# Altium PCB XTIDA-010086.PcbDoc (part 9 of 17) (continued)
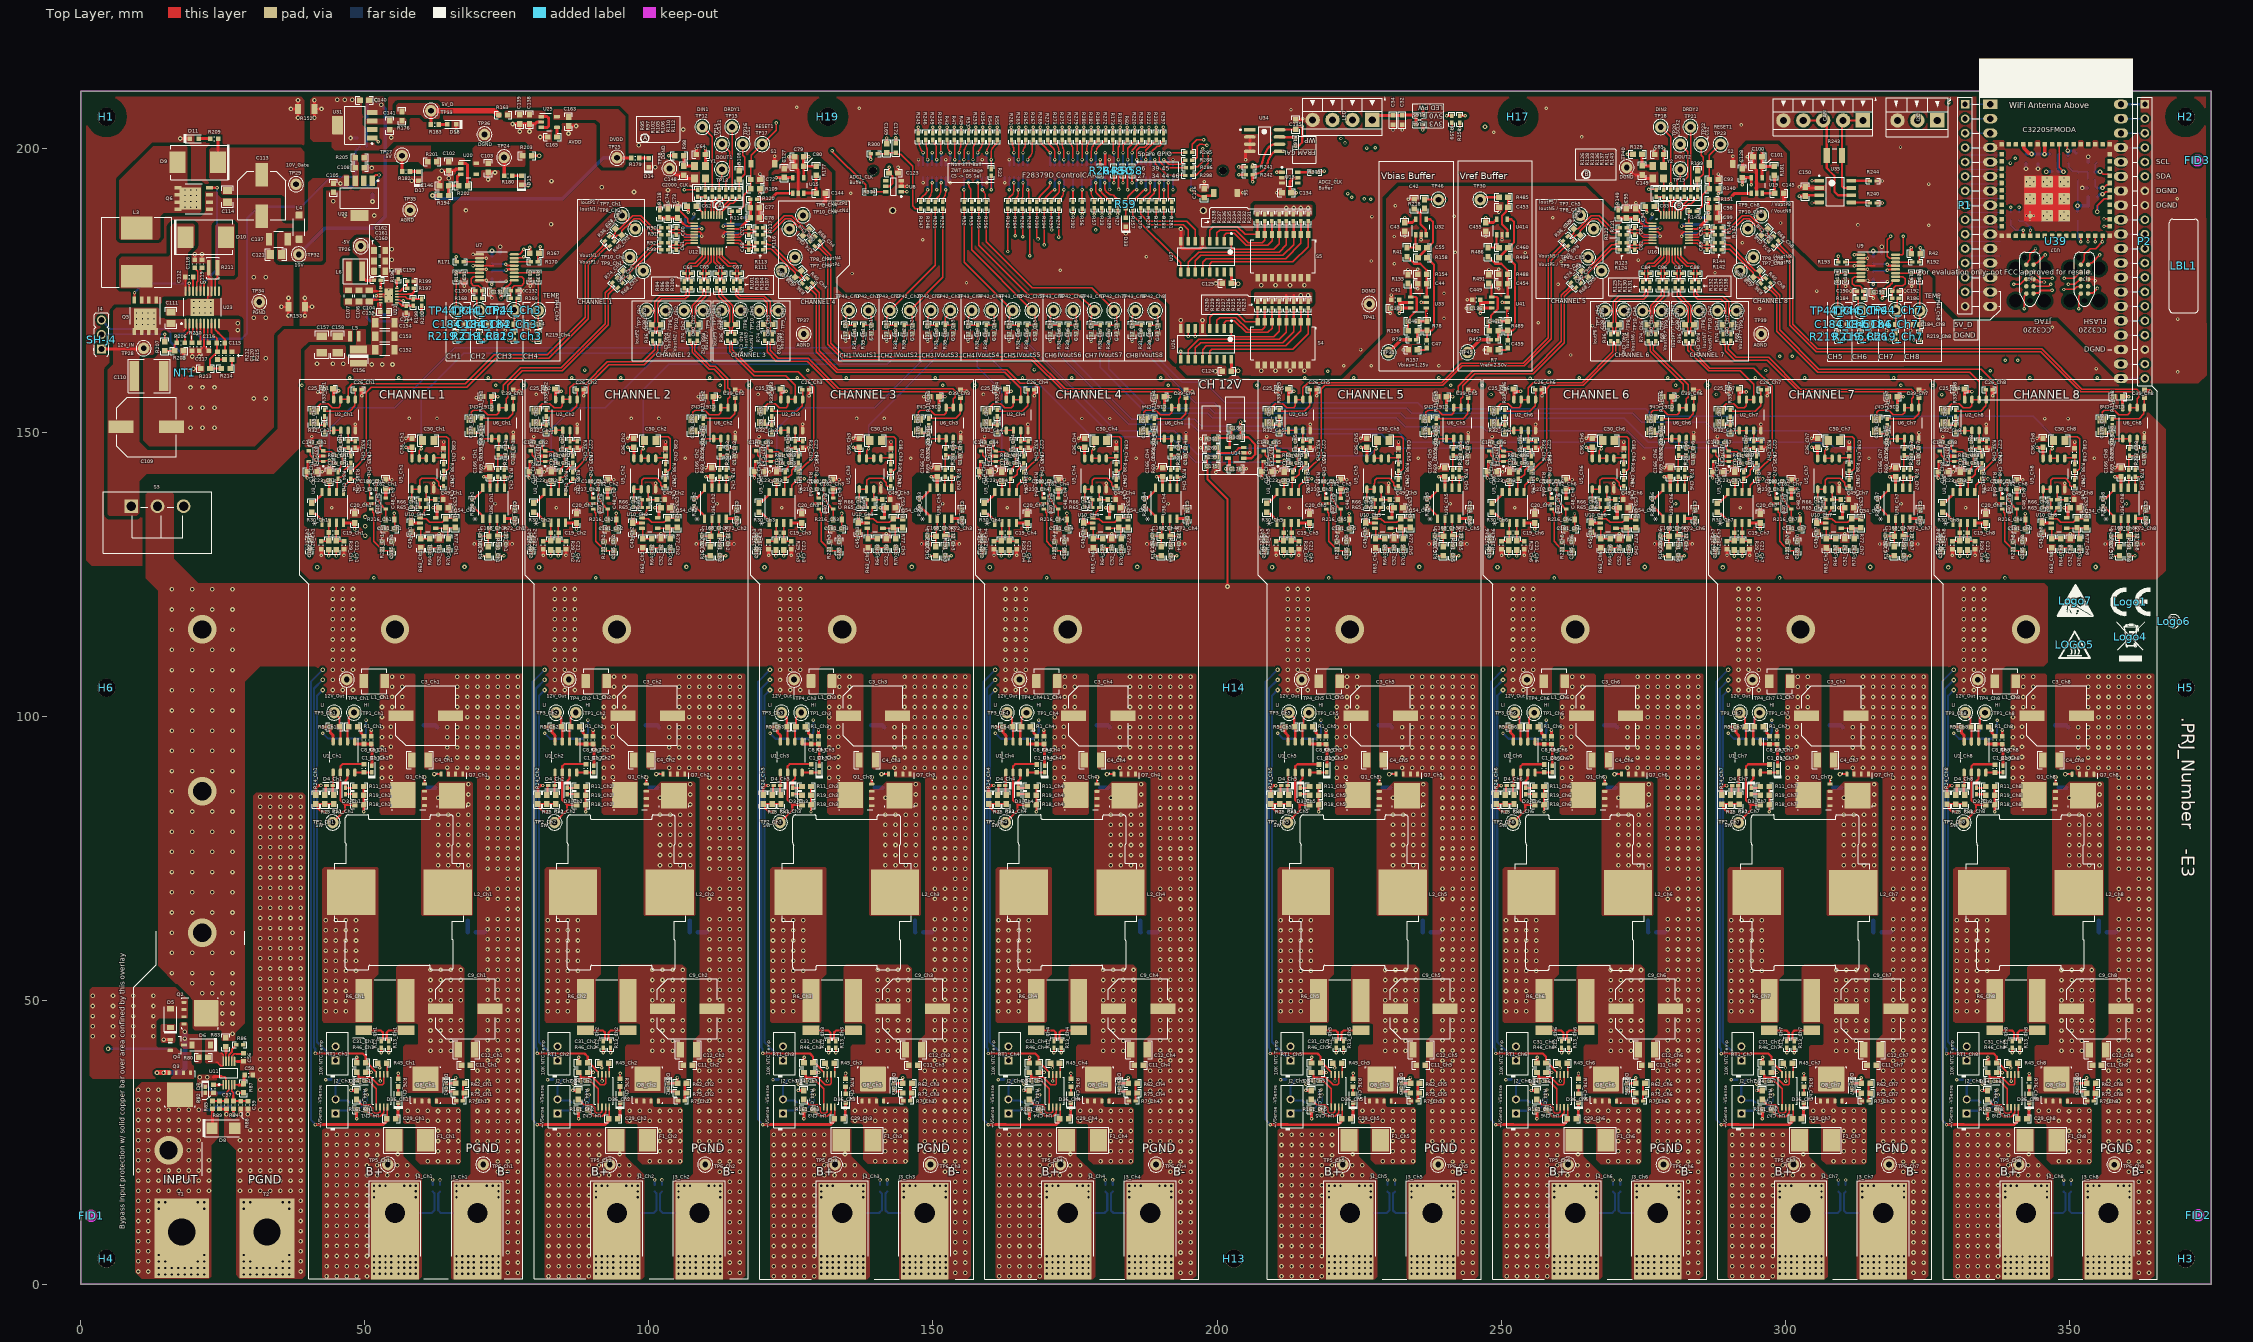
[diagram p0: Top Layer view]
## Nets (pads, with @x,y where several pads share a name; then routed paths per layer and width w, separated by ;. In a path a pad name is that pad's centre, name@x,y a point inside that pad or via, vN(x,y) a via of type N, cw(c..) or ccw(c..) an arc to the next point about the centre after c; other vN are vias at no path point) (continued)
IoutS5: C17_Ch5.1 R31_Ch5.2 R52.1 TP43_Ch5.1 | length 25.9
  Top Layer w0.254: R52.1@155.521,189.322 155.521,179.909 TP43_Ch5.1@164.036,171.394 164.036,170.913 163.452,170.329 C17_Ch5.1@163.452,168.811 R31_Ch5.2@165.052,168.811
IoutS6: C17_Ch6.1 R31_Ch6.2 R253.1 TP43_Ch6.1 | length 43.4
  Top Layer w0.254: R253.1@157.518,202.606 v2(157.518,203.633) ; TP43_Ch6.1@171.238,171.422 TP43_Ch6.1@171.238,171.394 171.238,170.941 170.654,170.357 170.654,168.839 R31_Ch6.2@172.254,168.839
  Signal Layer 2 w0.254: v2(157.518,203.633) 157.518,202.562 161.087,198.993 161.087,192.909 171.238,182.758 TP43_Ch6.1@171.238,171.394
IoutS7: C17_Ch7.1 R31_Ch7.2 R255.1 TP43_Ch7.1 | length 36
  Top Layer w0.254: R255.1@158.073,189.322 158.073,182.871 166.7,174.244 175.618,174.244 178.44,171.422 TP43_Ch7.1@178.44,171.394 178.44,170.941 177.856,170.357 177.856,168.839 R31_Ch7.2@179.456,168.839
IoutS8: C17_Ch8.1 R31_Ch8.2 R54.1 TP43_Ch8.1 | length 50.7
  Top Layer w0.254: R54.1@160.024,202.606 v2(160.024,203.633) ; TP43_Ch8.1@185.641,171.422 TP43_Ch8.1@185.641,171.394 185.641,170.941 185.057,170.357 185.057,168.839 R31_Ch8.2@186.657,168.839
  Signal Layer 2 w0.254: v2(160.024,203.633) 160.092,203.565 160.092,202.323 162.012,200.402 166.149,200.402 168.148,198.403 168.148,191.058 185.474,173.732 185.474,171.561 TP43_Ch8.1@185.641,171.394
L-Drive_Ch1: D4_Ch1.1 R21_Ch1.2 U1_Ch1.5 | length 3.9
  Top Layer w0.381: U1_Ch1.5@44.409,90.063 44.409,87.851 D4_Ch1.1@44.342,87.785 44.342,86.446 R21_Ch1.2@44.51,86.278
L-Drive_Ch2: D4_Ch2.1 R21_Ch2.2 U1_Ch2.5 | length 3.9
  Top Layer w0.381: U1_Ch2.5@83.474,90.061 83.474,87.849 D4_Ch2.1@83.408,87.784 83.408,86.444 R21_Ch2.2@83.575,86.276
L-Drive_Ch3: D4_Ch3.1 R21_Ch3.2 U1_Ch3.5 | length 3.9
  Top Layer w0.381: U1_Ch3.5@123.149,90.059 123.149,87.847 D4_Ch3.1@123.082,87.781 123.082,86.442 R21_Ch3.2@123.25,86.274
L-Drive_Ch4: D4_Ch4.1 R21_Ch4.2 U1_Ch4.5 | length 3.9
  Top Layer w0.381: U1_Ch4.5@162.823,90.057 162.823,87.845 D4_Ch4.1@162.757,87.779 162.757,86.44 R21_Ch4.2@162.925,86.272
L-Drive_Ch5: D4_Ch5.1 R21_Ch5.2 U1_Ch5.5 | length 3.9
  Top Layer w0.381: U1_Ch5.5@212.498,90.055 212.498,87.843 212.432,87.777 212.432,86.438 R21_Ch5.2@212.6,86.27
L-Drive_Ch6: D4_Ch6.1 R21_Ch6.2 U1_Ch6.5 | length 3.9
  Top Layer w0.381: U1_Ch6.5@252.173,90.053 252.173,87.841 D4_Ch6.1@252.107,87.775 252.107,86.436 R21_Ch6.2@252.274,86.268
L-Drive_Ch7: D4_Ch7.1 R21_Ch7.2 U1_Ch7.5 | length 3.9
  Top Layer w0.381: U1_Ch7.5@291.848,90.051 291.848,87.839 D4_Ch7.1@291.782,87.773 291.782,86.434 R21_Ch7.2@291.949,86.266
L-Drive_Ch8: D4_Ch8.1 R21_Ch8.2 U1_Ch8.5 | length 3.9
  Top Layer w0.381: U1_Ch8.5@331.523,90.049 331.523,87.837 D4_Ch8.1@331.456,87.771 331.456,86.432 R21_Ch8.2@331.624,86.264
LDrive_Ch1: Q7_Ch1.4 R21_Ch1.1 R24_Ch1.2 R25_Ch1.2 | length 30.8
  Top Layer w0.381: v2(43.242,83.188) 43.199,83.232 42.263,83.232 41.664,83.83 41.664,84.243 R24_Ch1.2@41.386,84.521 R25_Ch1.2@42.947,84.521 R21_Ch1.1@44.51,84.521 ; v1(62.206,89.791) Q7_Ch1.4@63.424,89.791
  Signal Layer 2 w0.381: v2(43.242,83.188) 45.336,83.188 46.05,82.474 57.48,82.474 61.29,86.284 61.29,88.875 v1(62.206,89.791)
LDrive_Ch2: Q7_Ch2.4 R21_Ch2.1 R24_Ch2.2 R25_Ch2.2 | length 30.8
  Top Layer w0.381: v2(82.308,83.186) 82.264,83.23 81.328,83.23 80.729,83.828 80.729,84.241 R24_Ch2.2@80.451,84.519 R25_Ch2.2@82.012,84.519 R21_Ch2.1@83.575,84.519 ; v1(101.271,89.789) Q7_Ch2.4@102.489,89.789
  Signal Layer 2 w0.381: v2(82.308,83.186) 84.401,83.186 85.115,82.472 96.545,82.472 100.355,86.282 100.355,88.873 v1(101.271,89.789)
LDrive_Ch3: Q7_Ch3.4 R21_Ch3.1 R24_Ch3.2 R25_Ch3.2 | length 30.8
  Top Layer w0.381: v2(121.982,83.184) 121.939,83.228 121.003,83.228 120.404,83.826 120.404,84.239 R24_Ch3.2@120.126,84.517 R25_Ch3.2@121.687,84.517 R21_Ch3.1@123.25,84.517 ; v1(140.946,89.787) Q7_Ch3.4@142.164,89.787
  Signal Layer 2 w0.381: v2(121.982,83.184) 124.076,83.184 124.79,82.47 136.22,82.47 140.03,86.28 140.03,88.871 v1(140.946,89.787)
LDrive_Ch4: Q7_Ch4.4 R21_Ch4.1 R24_Ch4.2 R25_Ch4.2 | length 30.8
  Top Layer w0.381: v2(161.657,83.182) 161.614,83.226 160.678,83.226 160.079,83.824 160.079,84.237 R24_Ch4.2@159.801,84.515 R25_Ch4.2@161.362,84.515 R21_Ch4.1@162.925,84.515 ; v1(180.621,89.785) Q7_Ch4.4@181.839,89.785
  Signal Layer 2 w0.381: v2(161.657,83.182) 163.751,83.182 164.465,82.468 175.895,82.468 179.705,86.278 179.705,88.869 v1(180.621,89.785)
LDrive_Ch5: Q7_Ch5.4 R21_Ch5.1 R24_Ch5.2 R25_Ch5.2 | length 30.8
  Top Layer w0.381: v2(211.332,83.18) 211.288,83.224 210.353,83.224 209.754,83.822 209.754,84.235 R24_Ch5.2@209.475,84.513 R25_Ch5.2@211.037,84.513 R21_Ch5.1@212.6,84.513 ; v1(230.295,89.783) Q7_Ch5.4@231.513,89.783
  Signal Layer 2 w0.381: v2(211.332,83.18) 213.426,83.18 214.14,82.466 225.57,82.466 229.38,86.276 229.38,88.867 v1(230.295,89.783)
LDrive_Ch6: Q7_Ch6.4 R21_Ch6.1 R24_Ch6.2 R25_Ch6.2 | length 30.8
  Top Layer w0.381: v2(251.007,83.178) 250.963,83.222 250.027,83.222 249.429,83.82 249.429,84.233 R24_Ch6.2@249.15,84.511 R25_Ch6.2@250.711,84.511 R21_Ch6.1@252.274,84.511 ; v1(269.97,89.781) Q7_Ch6.4@271.188,89.781
  Signal Layer 2 w0.381: v2(251.007,83.178) 253.101,83.178 253.815,82.464 265.245,82.464 269.055,86.274 269.055,88.865 v1(269.97,89.781)
LDrive_Ch7: Q7_Ch7.4 R21_Ch7.1 R24_Ch7.2 R25_Ch7.2 | length 30.8
  Top Layer w0.381: v2(290.682,83.176) 290.638,83.22 289.702,83.22 289.103,83.818 289.103,84.231 R24_Ch7.2@288.825,84.509 R25_Ch7.2@290.386,84.509 R21_Ch7.1@291.949,84.509 ; v1(309.645,89.779) Q7_Ch7.4@310.863,89.779
  Signal Layer 2 w0.381: v2(290.682,83.176) 292.775,83.176 293.489,82.462 304.919,82.462 308.729,86.272 308.729,88.863 v1(309.645,89.779)
LDrive_Ch8: Q7_Ch8.4 R21_Ch8.1 R24_Ch8.2 R25_Ch8.2 | length 30.8
  Top Layer w0.381: v2(330.356,83.174) 330.313,83.218 329.377,83.218 328.778,83.816 328.778,84.229 R24_Ch8.2@328.5,84.507 R25_Ch8.2@330.061,84.507 R21_Ch8.1@331.624,84.507 ; v1(349.32,89.777) Q7_Ch8.4@350.538,89.777
  Signal Layer 2 w0.381: v2(330.356,83.174) 332.45,83.174 333.164,82.46 344.594,82.46 348.404,86.27 348.404,88.861 v1(349.32,89.777)
MODE_A: R257.1 U27.9 | length 14.7
  Top Layer w0.254: R257.1@185.196,189.359 185.196,188.205 193.642,179.76 U27.9@193.642,178.189
MODE_B: R270.1 U27.7 | length 12.6
  Top Layer w0.254: R270.1@186.562,189.359 186.562,188.31 188.36,186.513 194.037,186.513 194.912,185.638 U27.7@194.912,183.589
MODE_C: R278.1 U27.6 | length 12.9
  Top Layer w0.254: R278.1@187.927,189.359 187.927,187.52 188.337,187.11 194.688,187.11 196.182,185.617 U27.6@196.182,183.589
MODE_CH1: R234.2 S5.4 U27.10 | length 24.5
  Top Layer w0.254: U27.10@194.901,178.178 U27.10@194.912,178.189 194.912,179.847 196.755,181.691 210.954,181.691 212.226,182.963 S5.4@212.226,184.789
  Top Layer w0.381: S5.4@212.226,184.789 R234.2@212.226,187.136
MODE_CH2: R233.2 S5.3 U27.11 | length 24.6
  Top Layer w0.254: U27.11@196.182,178.189 196.171,178.178 196.171,180.192 197.096,181.117 211.6,181.117 213.496,183.013 S5.3@213.496,184.789
  Top Layer w0.381: S5.3@213.496,184.789 R233.2@213.496,187.136
MODE_CH3: R232.2 S5.2 U27.12 | length 24.4
  Top Layer w0.254: U27.12@197.474,178.166 U27.12@197.452,178.189 197.452,179.873 198.112,180.533 212.108,180.533 214.766,183.191 S5.2@214.766,184.789
  Top Layer w0.381: R232.2@214.74,187.136 214.766,187.11 S5.2@214.766,184.789
MODE_CH4: R231.2 S5.1 U27.13 | length 24.5
  Top Layer w0.254: U27.13@198.722,178.189 198.711,178.178 198.711,179.557 199.103,179.949 213.352,179.949 216.036,182.632 S5.1@216.036,184.789
  Top Layer w0.381: S5.1@216.036,184.789 R231.2@216.036,187.136
MODE_CH5: R235.2 S5.5 U27.1 | length 14.1
  Top Layer w0.254: U27.1@202.532,183.589 202.532,182.463 202.837,182.159 209.999,182.159 210.956,183.115 S5.5@210.956,184.789
  Top Layer w0.381: S5.5@210.956,184.789 R235.2@210.956,187.136
MODE_CH6: R236.2 S5.6 U27.2 | length 14.2
  Top Layer w0.254: U27.2@201.262,183.589 201.262,184.622 201.592,184.953 203.065,184.953 205.123,182.895 208.933,182.895 209.686,183.648 S5.6@209.686,184.789
  Top Layer w0.381: S5.6@209.686,184.789 R236.2@209.686,187.136
MODE_CH7: R237.2 S5.7 U27.3 | length 14.5
  Top Layer w0.254: U27.3@199.992,183.589 199.992,185.054 200.449,185.511 203.319,185.511 205.478,183.352 207.962,183.352 208.416,183.806 S5.7@208.416,184.789
  Top Layer w0.381: S5.7@208.416,184.789 R237.2@208.416,187.136
MODE_CH8: R238.2 S5.8 U27.4 | length 13.5
  Top Layer w0.254: U27.4@198.722,183.589 198.722,185.537 199.331,186.146 203.599,186.146 204.956,184.789 S5.8@207.146,184.789
  Top Layer w0.381: S5.8@207.146,184.789 R238.2@207.146,187.136
NetC1_Ch1_1: C1_Ch1.1 D1_Ch1.1 U1_Ch1.8 | length 3.1
  Top Layer w0.381: U1_Ch1.8@48.219,90.063 48.243,90.087 C1_Ch1.1@49.843,90.087 51.193,90.087 D1_Ch1.1@51.242,90.136
NetC1_Ch2_1: C1_Ch2.1 D1_Ch2.1 U1_Ch2.8 | length 3.1
  Top Layer w0.381: U1_Ch2.8@87.284,90.061 87.308,90.085 C1_Ch2.1@88.908,90.085 90.259,90.085 D1_Ch2.1@90.307,90.134
NetC1_Ch3_1: C1_Ch3.1 D1_Ch3.1 U1_Ch3.8 | length 3.1
  Top Layer w0.381: U1_Ch3.8@126.959,90.059 126.983,90.083 C1_Ch3.1@128.583,90.083 129.933,90.083 D1_Ch3.1@129.982,90.132
NetC1_Ch4_1: C1_Ch4.1 D1_Ch4.1 U1_Ch4.8 | length 3.1
  Top Layer w0.381: U1_Ch4.8@166.633,90.057 166.658,90.081 C1_Ch4.1@168.258,90.081 169.608,90.081 D1_Ch4.1@169.657,90.131
NetC1_Ch5_1: C1_Ch5.1 D1_Ch5.1 U1_Ch5.8 | length 3.1
  Top Layer w0.381: U1_Ch5.8@216.308,90.055 216.333,90.079 C1_Ch5.1@217.933,90.079 219.283,90.079 D1_Ch5.1@219.331,90.128
NetC1_Ch6_1: C1_Ch6.1 D1_Ch6.1 U1_Ch6.8 | length 3.1
  Top Layer w0.381: U1_Ch6.8@255.983,90.053 256.007,90.077 C1_Ch6.1@257.608,90.077 258.958,90.077 D1_Ch6.1@259.006,90.127
NetC1_Ch7_1: C1_Ch7.1 D1_Ch7.1 U1_Ch7.8 | length 3.1
  Top Layer w0.381: U1_Ch7.8@295.658,90.051 295.682,90.075 C1_Ch7.1@297.282,90.075 298.633,90.075 D1_Ch7.1@298.681,90.124
NetC1_Ch8_1: C1_Ch8.1 D1_Ch8.1 U1_Ch8.8 | length 3.1
  Top Layer w0.381: U1_Ch8.8@335.333,90.049 335.357,90.073 C1_Ch8.1@336.957,90.073 338.307,90.073 D1_Ch8.1@338.356,90.123
NetC2_Ch1_2: C2_Ch1.2 R4_Ch1.2 | length 1.4
  Bottom Layer w0.762: R4_Ch1.2@61.04,87.401 62.394,87.401 C2_Ch1.2@62.419,87.427
NetC2_Ch2_2: C2_Ch2.2 R4_Ch2.2 | length 1.4
  Bottom Layer w0.762: R4_Ch2.2@100.105,87.399 101.459,87.399 C2_Ch2.2@101.484,87.425
NetC2_Ch3_2: C2_Ch3.2 R4_Ch3.2 | length 1.4
  Bottom Layer w0.762: R4_Ch3.2@139.78,87.397 141.134,87.397 C2_Ch3.2@141.159,87.423
NetC2_Ch4_2: C2_Ch4.2 R4_Ch4.2 | length 1.4
  Bottom Layer w0.762: R4_Ch4.2@179.455,87.395 180.808,87.395 C2_Ch4.2@180.834,87.421
NetC2_Ch5_2: C2_Ch5.2 R4_Ch5.2 | length 1.4
  Bottom Layer w0.762: R4_Ch5.2@229.13,87.393 230.483,87.393 C2_Ch5.2@230.509,87.419
NetC2_Ch6_2: C2_Ch6.2 R4_Ch6.2 | length 1.4
  Bottom Layer w0.762: R4_Ch6.2@268.804,87.391 270.158,87.391 C2_Ch6.2@270.183,87.417
NetC2_Ch7_2: C2_Ch7.2 R4_Ch7.2 | length 1.4
  Bottom Layer w0.762: R4_Ch7.2@308.479,87.389 309.833,87.389 C2_Ch7.2@309.858,87.415
NetC2_Ch8_2: C2_Ch8.2 R4_Ch8.2 | length 1.4
  Bottom Layer w0.762: R4_Ch8.2@348.154,87.387 349.508,87.387 C2_Ch8.2@349.533,87.413
NetC3_Ch1_1: C3_Ch1.1 C4_Ch1.1 C5_Ch1.1 C6_Ch1.1 C7_Ch1.1 L1_Ch1.2 Q1_Ch1.5 Q1_Ch1.6 Q1_Ch1.7 Q1_Ch1.8 Q1_Ch1.9@56.677,86.131 R4_Ch1.1
  other v1: 53.01,89.154 54.585,89.256 53.01,90.932 54.585,91.034 53.01,92.71 54.585,92.812 53.01,94.488 54.585,94.59 53.01,96.266 54.585,96.368 53.01,98.044 54.585,98.146 53.01,99.822 53.01,101.6 54.788,101.6 56.566,101.6 53.01,103.378 54.788,103.378 56.566,103.378 54.788,105.156 56.566,105.156 54.788,106.934 56.566,106.934
NetC3_Ch2_1: C3_Ch2.1 C4_Ch2.1 C5_Ch2.1 C6_Ch2.1 C7_Ch2.1 L1_Ch2.2 Q1_Ch2.5 Q1_Ch2.6 Q1_Ch2.7 Q1_Ch2.8 Q1_Ch2.9@95.743,86.129 R4_Ch2.1
  other v1: 92.075,89.152 93.65,89.254 92.075,90.93 93.65,91.032 92.075,92.708 93.65,92.81 92.075,94.486 93.65,94.588 92.075,96.264 93.65,96.366 92.075,98.042 93.65,98.144 92.075,99.82 92.075,101.598 93.853,101.598 95.631,101.598 92.075,103.376 93.853,103.376 95.631,103.376 93.853,105.154 95.631,105.154 93.853,106.932 95.631,106.932
NetC3_Ch3_1: C3_Ch3.1 C4_Ch3.1 C5_Ch3.1 C6_Ch3.1 C7_Ch3.1 L1_Ch3.2 Q1_Ch3.5 Q1_Ch3.6 Q1_Ch3.7 Q1_Ch3.8 Q1_Ch3.9@135.417,86.127 R4_Ch3.1
  other v1: 131.75,89.15 133.325,89.252 131.75,90.928 133.325,91.03 131.75,92.706 133.325,92.808 131.75,94.484 133.325,94.586 131.75,96.262 133.325,96.364 131.75,98.04 133.325,98.142 131.75,99.818 131.75,101.596 133.528,101.596 135.306,101.596 131.75,103.374 133.528,103.374 135.306,103.374 133.528,105.152 135.306,105.152 133.528,106.93 135.306,106.93
NetC3_Ch4_1: C3_Ch4.1 C4_Ch4.1 C5_Ch4.1 C6_Ch4.1 C7_Ch4.1 L1_Ch4.2 Q1_Ch4.5 Q1_Ch4.6 Q1_Ch4.7 Q1_Ch4.8 Q1_Ch4.9@175.092,86.125 R4_Ch4.1
  other v1: 171.425,89.148 172.999,89.25 171.425,90.926 172.999,91.028 171.425,92.704 172.999,92.806 171.425,94.482 172.999,94.584 171.425,96.26 172.999,96.362 171.425,98.038 172.999,98.14 171.425,99.816 171.425,101.594 173.203,101.594 174.981,101.594 171.425,103.372 173.203,103.372 174.981,103.372 173.203,105.15 174.981,105.15 173.203,106.928 174.981,106.928
NetC3_Ch5_1: C3_Ch5.1 C4_Ch5.1 C5_Ch5.1 C6_Ch5.1 C7_Ch5.1 L1_Ch5.2 Q1_Ch5.5 Q1_Ch5.6 Q1_Ch5.7 Q1_Ch5.8 Q1_Ch5.9@224.767,86.123 R4_Ch5.1
  other v1: 221.099,89.146 222.674,89.248 221.099,90.924 222.674,91.026 221.099,92.702 222.674,92.804 221.099,94.48 222.674,94.582 221.099,96.258 222.674,96.36 221.099,98.036 222.674,98.138 221.099,99.814 221.099,101.592 222.877,101.592 224.655,101.592 221.099,103.37 222.877,103.37 224.655,103.37 222.877,105.148 224.655,105.148 222.877,106.926 224.655,106.926
NetC3_Ch6_1: C3_Ch6.1 C4_Ch6.1 C5_Ch6.1 C6_Ch6.1 C7_Ch6.1 L1_Ch6.2 Q1_Ch6.5 Q1_Ch6.6 Q1_Ch6.7 Q1_Ch6.8 Q1_Ch6.9@264.442,86.121 R4_Ch6.1
  other v1: 260.774,89.144 262.349,89.246 260.774,90.922 262.349,91.024 260.774,92.7 262.349,92.802 260.774,94.478 262.349,94.58 260.774,96.256 262.349,96.358 260.774,98.034 262.349,98.136 260.774,99.812 260.774,101.59 262.552,101.59 264.33,101.59 260.774,103.368 262.552,103.368 264.33,103.368 262.552,105.146 264.33,105.146 262.552,106.924 264.33,106.924
NetC3_Ch7_1: C3_Ch7.1 C4_Ch7.1 C5_Ch7.1 C6_Ch7.1 C7_Ch7.1 L1_Ch7.2 Q1_Ch7.5 Q1_Ch7.6 Q1_Ch7.7 Q1_Ch7.8 Q1_Ch7.9@304.117,86.119 R4_Ch7.1
  other v1: 300.449,89.142 302.024,89.244 300.449,90.92 302.024,91.022 300.449,92.698 302.024,92.8 300.449,94.476 302.024,94.578 300.449,96.254 302.024,96.356 300.449,98.032 302.024,98.134 300.449,99.81 300.449,101.588 302.227,101.588 304.005,101.588 300.449,103.366 302.227,103.366 304.005,103.366 302.227,105.144 304.005,105.144 302.227,106.922 304.005,106.922
NetC3_Ch8_1: C3_Ch8.1 C4_Ch8.1 C5_Ch8.1 C6_Ch8.1 C7_Ch8.1 L1_Ch8.2 Q1_Ch8.5 Q1_Ch8.6 Q1_Ch8.7 Q1_Ch8.8 Q1_Ch8.9@343.791,86.117 R4_Ch8.1
  other v1: 340.124,89.14 341.699,89.242 340.124,90.918 341.699,91.02 340.124,92.696 341.699,92.798 340.124,94.474 341.699,94.576 340.124,96.252 341.699,96.354 340.124,98.03 341.699,98.132 340.124,99.808 340.124,101.586 341.902,101.586 343.68,101.586 340.124,103.364 341.902,103.364 343.68,103.364 341.902,105.142 343.68,105.142 341.902,106.92 343.68,106.92
NetC8_Ch1_2: C8_Ch1.2 D1_Ch1.2 R8_Ch1.1 U1_Ch1.1 | length 7.2
  Top Layer w0.508: U1_Ch1.1@48.219,95.513 48.219,95.145 48.273,95.09 C8_Ch1.2@49.843,95.09 R8_Ch1.1@51.115,95.09 51.242,94.963 D1_Ch1.2@51.242,91.236
NetC8_Ch2_2: C8_Ch2.2 D1_Ch2.2 R8_Ch2.1 U1_Ch2.1 | length 7.2
  Top Layer w0.508: U1_Ch2.1@87.284,95.511 87.284,95.143 87.339,95.088 C8_Ch2.2@88.908,95.088 R8_Ch2.1@90.18,95.088 90.307,94.961 D1_Ch2.2@90.307,91.234
NetC8_Ch3_2: C8_Ch3.2 D1_Ch3.2 R8_Ch3.1 U1_Ch3.1 | length 7.2
  Top Layer w0.508: U1_Ch3.1@126.959,95.509 126.959,95.141 127.013,95.086 C8_Ch3.2@128.583,95.086 R8_Ch3.1@129.855,95.086 129.982,94.959 D1_Ch3.2@129.982,91.232
NetC8_Ch4_2: C8_Ch4.2 D1_Ch4.2 R8_Ch4.1 U1_Ch4.1 | length 7.2
  Top Layer w0.508: U1_Ch4.1@166.633,95.507 166.633,95.139 166.688,95.084 C8_Ch4.2@168.258,95.084 R8_Ch4.1@169.53,95.084 169.657,94.957 D1_Ch4.2@169.657,91.231
NetC8_Ch5_2: C8_Ch5.2 D1_Ch5.2 R8_Ch5.1 U1_Ch5.1 | length 7.2
  Top Layer w0.508: U1_Ch5.1@216.308,95.505 216.308,95.137 216.363,95.082 C8_Ch5.2@217.933,95.082 R8_Ch5.1@219.204,95.082 219.331,94.955 D1_Ch5.2@219.331,91.228
NetC8_Ch6_2: C8_Ch6.2 D1_Ch6.2 R8_Ch6.1 U1_Ch6.1 | length 7.2
  Top Layer w0.508: U1_Ch6.1@255.983,95.503 255.983,95.135 256.038,95.08 C8_Ch6.2@257.608,95.08 R8_Ch6.1@258.879,95.08 259.006,94.953 D1_Ch6.2@259.006,91.226
NetC8_Ch7_2: C8_Ch7.2 D1_Ch7.2 R8_Ch7.1 U1_Ch7.1 | length 7.2
  Top Layer w0.508: U1_Ch7.1@295.658,95.501 295.658,95.133 295.713,95.078 C8_Ch7.2@297.282,95.078 R8_Ch7.1@298.554,95.078 298.681,94.951 D1_Ch7.2@298.681,91.224
NetC8_Ch8_2: C8_Ch8.2 D1_Ch8.2 R8_Ch8.1 U1_Ch8.1 | length 7.2
  Top Layer w0.508: U1_Ch8.1@335.333,95.499 335.333,95.131 335.387,95.076 C8_Ch8.2@336.957,95.076 R8_Ch8.1@338.229,95.076 338.356,94.949 D1_Ch8.2@338.356,91.223
NetC9_Ch1_1: C9_Ch1.1 C10_Ch1.1 C11_Ch1.1 C12_Ch1.1 C13_Ch1.1 Q8_Ch1.5 Q8_Ch1.6 Q8_Ch1.7 Q8_Ch1.8 Q8_Ch1.9@60.681,36.134 R6_Ch1.1
  other v1: 61.544,41.097 63.322,41.097 65.1,41.097 61.544,42.875 63.322,42.875 65.1,42.875 61.544,44.653 63.322,44.653 65.1,44.653 66.878,44.653 61.544,46.431 63.322,46.431 65.1,46.431 66.878,46.431 61.544,49.987 63.322,49.987 65.1,49.987 66.878,49.987 61.544,51.765 63.322,51.765 65.1,51.765 66.878,51.765 61.544,53.543 63.322,53.543 65.1,53.543 66.878,53.543 61.544,55.321 63.322,55.321 65.1,55.321 66.878,55.321
NetC9_Ch2_1: C9_Ch2.1 C10_Ch2.1 C11_Ch2.1 C12_Ch2.1 C13_Ch2.1 Q8_Ch2.5 Q8_Ch2.6 Q8_Ch2.7 Q8_Ch2.8 Q8_Ch2.9@99.746,36.132 R6_Ch2.1
  other v1: 100.609,41.095 102.387,41.095 104.165,41.095 100.609,42.873 102.387,42.873 104.165,42.873 100.609,44.651 102.387,44.651 104.165,44.651 105.943,44.651 100.609,46.429 102.387,46.429 104.165,46.429 105.943,46.429 100.609,49.985 102.387,49.985 104.165,49.985 105.943,49.985 100.609,51.763 102.387,51.763 104.165,51.763 105.943,51.763 100.609,53.541 102.387,53.541 104.165,53.541 105.943,53.541 100.609,55.319 102.387,55.319 104.165,55.319 105.943,55.319
NetC9_Ch3_1: C9_Ch3.1 C10_Ch3.1 C11_Ch3.1 C12_Ch3.1 C13_Ch3.1 Q8_Ch3.5 Q8_Ch3.6 Q8_Ch3.7 Q8_Ch3.8 Q8_Ch3.9@139.421,36.13 R6_Ch3.1
  other v1: 140.284,41.093 142.062,41.093 143.84,41.093 140.284,42.871 142.062,42.871 143.84,42.871 140.284,44.649 142.062,44.649 143.84,44.649 145.618,44.649 140.284,46.427 142.062,46.427 143.84,46.427 145.618,46.427 140.284,49.983 142.062,49.983 143.84,49.983 145.618,49.983 140.284,51.761 142.062,51.761 143.84,51.761 145.618,51.761 140.284,53.539 142.062,53.539 143.84,53.539 145.618,53.539 140.284,55.317 142.062,55.317 143.84,55.317 145.618,55.317
NetC9_Ch4_1: C9_Ch4.1 C10_Ch4.1 C11_Ch4.1 C12_Ch4.1 C13_Ch4.1 Q8_Ch4.5 Q8_Ch4.6 Q8_Ch4.7 Q8_Ch4.8 Q8_Ch4.9@179.095,36.128 R6_Ch4.1
  other v1: 179.959,41.091 181.737,41.091 183.515,41.091 179.959,42.869 181.737,42.869 183.515,42.869 179.959,44.647 181.737,44.647 183.515,44.647 185.293,44.647 179.959,46.425 181.737,46.425 183.515,46.425 185.293,46.425 179.959,49.981 181.737,49.981 183.515,49.981 185.293,49.981 179.959,51.759 181.737,51.759 183.515,51.759 185.293,51.759 179.959,53.537 181.737,53.537 183.515,53.537 185.293,53.537 179.959,55.315 181.737,55.315 183.515,55.315 185.293,55.315
NetC9_Ch5_1: C9_Ch5.1 C10_Ch5.1 C11_Ch5.1 C12_Ch5.1 C13_Ch5.1 Q8_Ch5.5 Q8_Ch5.6 Q8_Ch5.7 Q8_Ch5.8 Q8_Ch5.9@228.77,36.126 R6_Ch5.1
  other v1: 229.634,41.089 231.412,41.089 233.19,41.089 229.634,42.867 231.412,42.867 233.19,42.867 229.634,44.645 231.412,44.645 233.19,44.645 234.968,44.645 229.634,46.423 231.412,46.423 233.19,46.423 234.968,46.423 229.634,49.979 231.412,49.979 233.19,49.979 234.968,49.979 229.634,51.757 231.412,51.757 233.19,51.757 234.968,51.757 229.634,53.535 231.412,53.535 233.19,53.535 234.968,53.535 229.634,55.313 231.412,55.313 233.19,55.313 234.968,55.313
NetC9_Ch6_1: C9_Ch6.1 C10_Ch6.1 C11_Ch6.1 C12_Ch6.1 C13_Ch6.1 Q8_Ch6.5 Q8_Ch6.6 Q8_Ch6.7 Q8_Ch6.8 Q8_Ch6.9@268.445,36.124 R6_Ch6.1
  other v1: 269.309,41.087 271.087,41.087 272.865,41.087 269.309,42.865 271.087,42.865 272.865,42.865 269.309,44.643 271.087,44.643 272.865,44.643 274.643,44.643 269.309,46.421 271.087,46.421 272.865,46.421 274.643,46.421 269.309,49.977 271.087,49.977 272.865,49.977 274.643,49.977 269.309,51.755 271.087,51.755 272.865,51.755 274.643,51.755 269.309,53.533 271.087,53.533 272.865,53.533 274.643,53.533 269.309,55.311 271.087,55.311 272.865,55.311 274.643,55.311
NetC9_Ch7_1: C9_Ch7.1 C10_Ch7.1 C11_Ch7.1 C12_Ch7.1 C13_Ch7.1 Q8_Ch7.5 Q8_Ch7.6 Q8_Ch7.7 Q8_Ch7.8 Q8_Ch7.9@308.12,36.122 R6_Ch7.1
  other v1: 308.983,41.085 310.761,41.085 312.539,41.085 308.983,42.863 310.761,42.863 312.539,42.863 308.983,44.641 310.761,44.641 312.539,44.641 314.317,44.641 308.983,46.419 310.761,46.419 312.539,46.419 314.317,46.419 308.983,49.975 310.761,49.975 312.539,49.975 314.317,49.975 308.983,51.753 310.761,51.753 312.539,51.753 314.317,51.753 308.983,53.531 310.761,53.531 312.539,53.531 314.317,53.531 308.983,55.309 310.761,55.309 312.539,55.309 314.317,55.309
NetC9_Ch8_1: C9_Ch8.1 C10_Ch8.1 C11_Ch8.1 C12_Ch8.1 C13_Ch8.1 Q8_Ch8.5 Q8_Ch8.6 Q8_Ch8.7 Q8_Ch8.8 Q8_Ch8.9@347.795,36.12 R6_Ch8.1
  other v1: 348.658,41.083 350.436,41.083 352.214,41.083 348.658,42.861 350.436,42.861 352.214,42.861 348.658,44.639 350.436,44.639 352.214,44.639 353.992,44.639 348.658,46.417 350.436,46.417 352.214,46.417 353.992,46.417 348.658,49.973 350.436,49.973 352.214,49.973 353.992,49.973 348.658,51.751 350.436,51.751 352.214,51.751 353.992,51.751 348.658,53.529 350.436,53.529 352.214,53.529 353.992,53.529 348.658,55.307 350.436,55.307 352.214,55.307 353.992,55.307
NetC15_Ch1_2: C15_Ch1.2 R9_Ch1.2 | length 2
  Bottom Layer w0.762: R9_Ch1.2@68.101,64.008 68.101,62.009 C15_Ch1.2@68.134,61.976
NetC15_Ch2_2: C15_Ch2.2 R9_Ch2.2 | length 2
  Bottom Layer w0.762: R9_Ch2.2@107.166,64.006 107.166,62.007 C15_Ch2.2@107.199,61.974
NetC15_Ch3_2: C15_Ch3.2 R9_Ch3.2 | length 2
  Bottom Layer w0.762: R9_Ch3.2@146.841,64.004 146.841,62.005 C15_Ch3.2@146.874,61.972
NetC15_Ch4_2: C15_Ch4.2 R9_Ch4.2 | length 2
  Bottom Layer w0.762: R9_Ch4.2@186.516,64.002 186.516,62.003 C15_Ch4.2@186.549,61.97
NetC15_Ch5_2: C15_Ch5.2 R9_Ch5.2 | length 2
  Bottom Layer w0.762: R9_Ch5.2@236.191,64 236.191,62.001 C15_Ch5.2@236.224,61.968
NetC15_Ch6_2: C15_Ch6.2 R9_Ch6.2 | length 2
  Bottom Layer w0.762: R9_Ch6.2@275.866,63.998 275.866,61.999 C15_Ch6.2@275.898,61.966
NetC15_Ch7_2: C15_Ch7.2 R9_Ch7.2 | length 2
  Bottom Layer w0.762: R9_Ch7.2@315.54,63.996 315.54,61.997 C15_Ch7.2@315.573,61.964
NetC15_Ch8_2: C15_Ch8.2 R9_Ch8.2 | length 2
  Bottom Layer w0.762: R9_Ch8.2@355.215,63.994 355.215,61.995 C15_Ch8.2@355.248,61.962
NetC16_Ch1_1: C16_Ch1.1 R31_Ch1.1 U37_Ch1.1 U37_Ch1.4 | length 112.3
  Top Layer w0.254: U37_Ch1.4@40.119,146.703 40.244,146.703 40.392,146.555 40.392,145.914 41.425,144.881 42.591,144.881 U37_Ch1.1@42.669,144.803 42.817,144.951 43.544,144.951 43.627,145.034 v2(43.724,145.034) 43.82,145.034 44.166,144.688 44.577,144.688 44.75,144.515 C16_Ch1.1@44.85,144.515 ; v2(136.246,165.835) R31_Ch1.1@136.246,167.611
  Bottom Layer w0.254: v2(43.724,145.034) 43.724,150.501 47.52,154.297 55.226,154.297 65.8,164.871 135.282,164.871 v2(136.246,165.835)
NetC16_Ch1_2: C16_Ch1.2 R34_Ch1.2 R61_Ch1.1 | length 3.3
  Top Layer w0.254: R34_Ch1.2@45.274,142.961 45.447,143.134 45.447,143.554 45.777,143.884 45.777,144.342 45.95,144.515 C16_Ch1.2@46.05,144.515 R61_Ch1.1@46.05,145.851
NetC16_Ch2_1: C16_Ch2.1 R31_Ch2.1 U37_Ch2.1 U37_Ch2.4 | length 80.9
  Top Layer w0.254: U37_Ch2.4@79.184,146.701 79.309,146.701 79.457,146.553 79.457,145.912 80.491,144.879 81.656,144.879 U37_Ch2.1@81.734,144.801 81.882,144.949 82.609,144.949 82.692,145.032 v2(82.789,145.032) 82.885,145.032 83.231,144.686 83.642,144.686 83.815,144.513 C16_Ch2.1@83.915,144.513 ; v2(143.428,166.001) 143.437,166.011 143.437,167.601 R31_Ch2.1@143.447,167.611
  Bottom Layer w0.254: v2(82.789,145.032) 82.789,150.499 86.586,154.295 92.345,154.295 100.736,162.687 141.028,162.687 143.428,165.086 v2(143.428,166.001)
NetC16_Ch2_2: C16_Ch2.2 R34_Ch2.2 R61_Ch2.1 | length 3.3
  Top Layer w0.254: R34_Ch2.2@84.339,142.959 84.512,143.132 84.512,143.552 84.842,143.882 84.842,144.34 85.015,144.513 C16_Ch2.2@85.115,144.513 R61_Ch2.1@85.115,145.849
NetC16_Ch3_1: C16_Ch3.1 R31_Ch3.1 U37_Ch3.1 U37_Ch3.4 | length 48.4
  Top Layer w0.254: U37_Ch3.4@118.859,146.699 118.984,146.699 119.132,146.551 119.132,145.91 120.165,144.877 121.331,144.877 U37_Ch3.1@121.409,144.799 121.557,144.947 122.284,144.947 122.367,145.03 v2(122.464,145.03) 122.56,145.03 122.906,144.684 123.317,144.684 123.49,144.511 C16_Ch3.1@123.59,144.511 ; v2@150.649,166.001 R31_Ch3.1@150.649,167.611
  Bottom Layer w0.254: v2(122.464,145.03) 122.464,150.497 126.26,154.293 139.787,154.293 150.65,165.156 v2(150.65,166.001)
NetC16_Ch3_2: C16_Ch3.2 R34_Ch3.2 R61_Ch3.1 | length 3.3
  Top Layer w0.254: R34_Ch3.2@124.014,142.957 124.187,143.13 124.187,143.55 124.517,143.88 124.517,144.338 124.69,144.511 C16_Ch3.2@124.79,144.511 R61_Ch3.1@124.79,145.847
NetC16_Ch4_1: C16_Ch4.1 R31_Ch4.1 U37_Ch4.1 U37_Ch4.4 | length 30.6
  Top Layer w0.254: v2@157.851,166.028 R31_Ch4.1@157.851,167.611 ; U37_Ch4.4@158.534,146.697 158.659,146.697 158.807,146.549 158.807,145.908 159.84,144.875 161.006,144.875 U37_Ch4.1@161.084,144.797 161.232,144.945 161.959,144.945 162.042,145.028 v2(162.138,145.028) 162.235,145.028 162.581,144.682 162.992,144.682 163.165,144.509 C16_Ch4.1@163.265,144.509
  Bottom Layer w0.254: v2(157.824,166.014) 157.824,161.464 162.138,157.15 v2(162.138,145.028)
NetC16_Ch4_2: C16_Ch4.2 R34_Ch4.2 R61_Ch4.1 | length 3.3
  Top Layer w0.254: R34_Ch4.2@163.689,142.955 163.862,143.128 163.862,143.548 164.192,143.878 164.192,144.336 164.365,144.509 C16_Ch4.2@164.465,144.509 R61_Ch4.1@164.465,145.845
NetC16_Ch5_1: C16_Ch5.1 R31_Ch5.1 U37_Ch5.1 U37_Ch5.4 | length 63.7
  Top Layer w0.254: v2@165.052,166.028 R31_Ch5.1@165.052,167.611 ; U37_Ch5.4@208.209,146.695 208.334,146.695 208.482,146.547 208.482,145.906 209.515,144.873 210.68,144.873 U37_Ch5.1@210.759,144.795 210.907,144.943 211.633,144.943 211.717,145.026 v2(211.813,145.026) 211.909,145.026 212.255,144.68 212.666,144.68 212.839,144.507 C16_Ch5.1@212.939,144.507
  Bottom Layer w0.254: v2(165.026,166.014) 165.026,165.821 171.145,159.701 171.145,159.673 181.612,149.205 191.743,149.205 196.245,144.704 211.395,144.704 211.717,145.026 v2(211.813,145.026)
NetC16_Ch5_2: C16_Ch5.2 R34_Ch5.2 R61_Ch5.1 | length 3.3
  Top Layer w0.254: R34_Ch5.2@213.364,142.953 213.537,143.126 213.537,143.546 213.866,143.876 213.866,144.334 214.039,144.507 C16_Ch5.2@214.139,144.507 R61_Ch5.1@214.139,145.843
NetC16_Ch6_1: C16_Ch6.1 R31_Ch6.1 U37_Ch6.1 U37_Ch6.4 | length 97.8
  Top Layer w0.254: v2@172.254,166.028 R31_Ch6.1@172.254,167.611 ; U37_Ch6.4@247.883,146.693 248.008,146.693 248.156,146.545 248.156,145.904 249.19,144.871 250.355,144.871 U37_Ch6.1@250.433,144.793 250.581,144.941 251.308,144.941 251.392,145.024 v2(251.488,145.024) 251.584,145.024 251.93,144.678 252.341,144.678 252.514,144.505 C16_Ch6.1@252.614,144.505
  Bottom Layer w0.254: v2(172.228,166.014) 172.228,163.611 184.493,151.345 195.503,151.345 196.658,150.19 210.439,150.19 210.947,149.682 228.881,149.682 231.437,147.126 250.454,147.126 251.488,146.092 v2(251.488,145.024)
NetC16_Ch6_2: C16_Ch6.2 R34_Ch6.2 R61_Ch6.1 | length 3.3
  Top Layer w0.254: R34_Ch6.2@253.039,142.951 253.212,143.124 253.212,143.544 253.541,143.874 253.541,144.332 253.714,144.505 C16_Ch6.2@253.814,144.505 R61_Ch6.1@253.814,145.841